# Altium PCB PCB1.PcbDoc (part 1 of 3)
Units mm, origin at the board's own origin, x right, y up, seen from the top; angles counter-clockwise.
Board outline 395.86 x 234.82 mm, 2 copper layers (Top Layer, Bottom Layer); 304 components, 236 nets, 1028 pads, 1089 vias.
Unrouted connection lines stored in the file: 1.
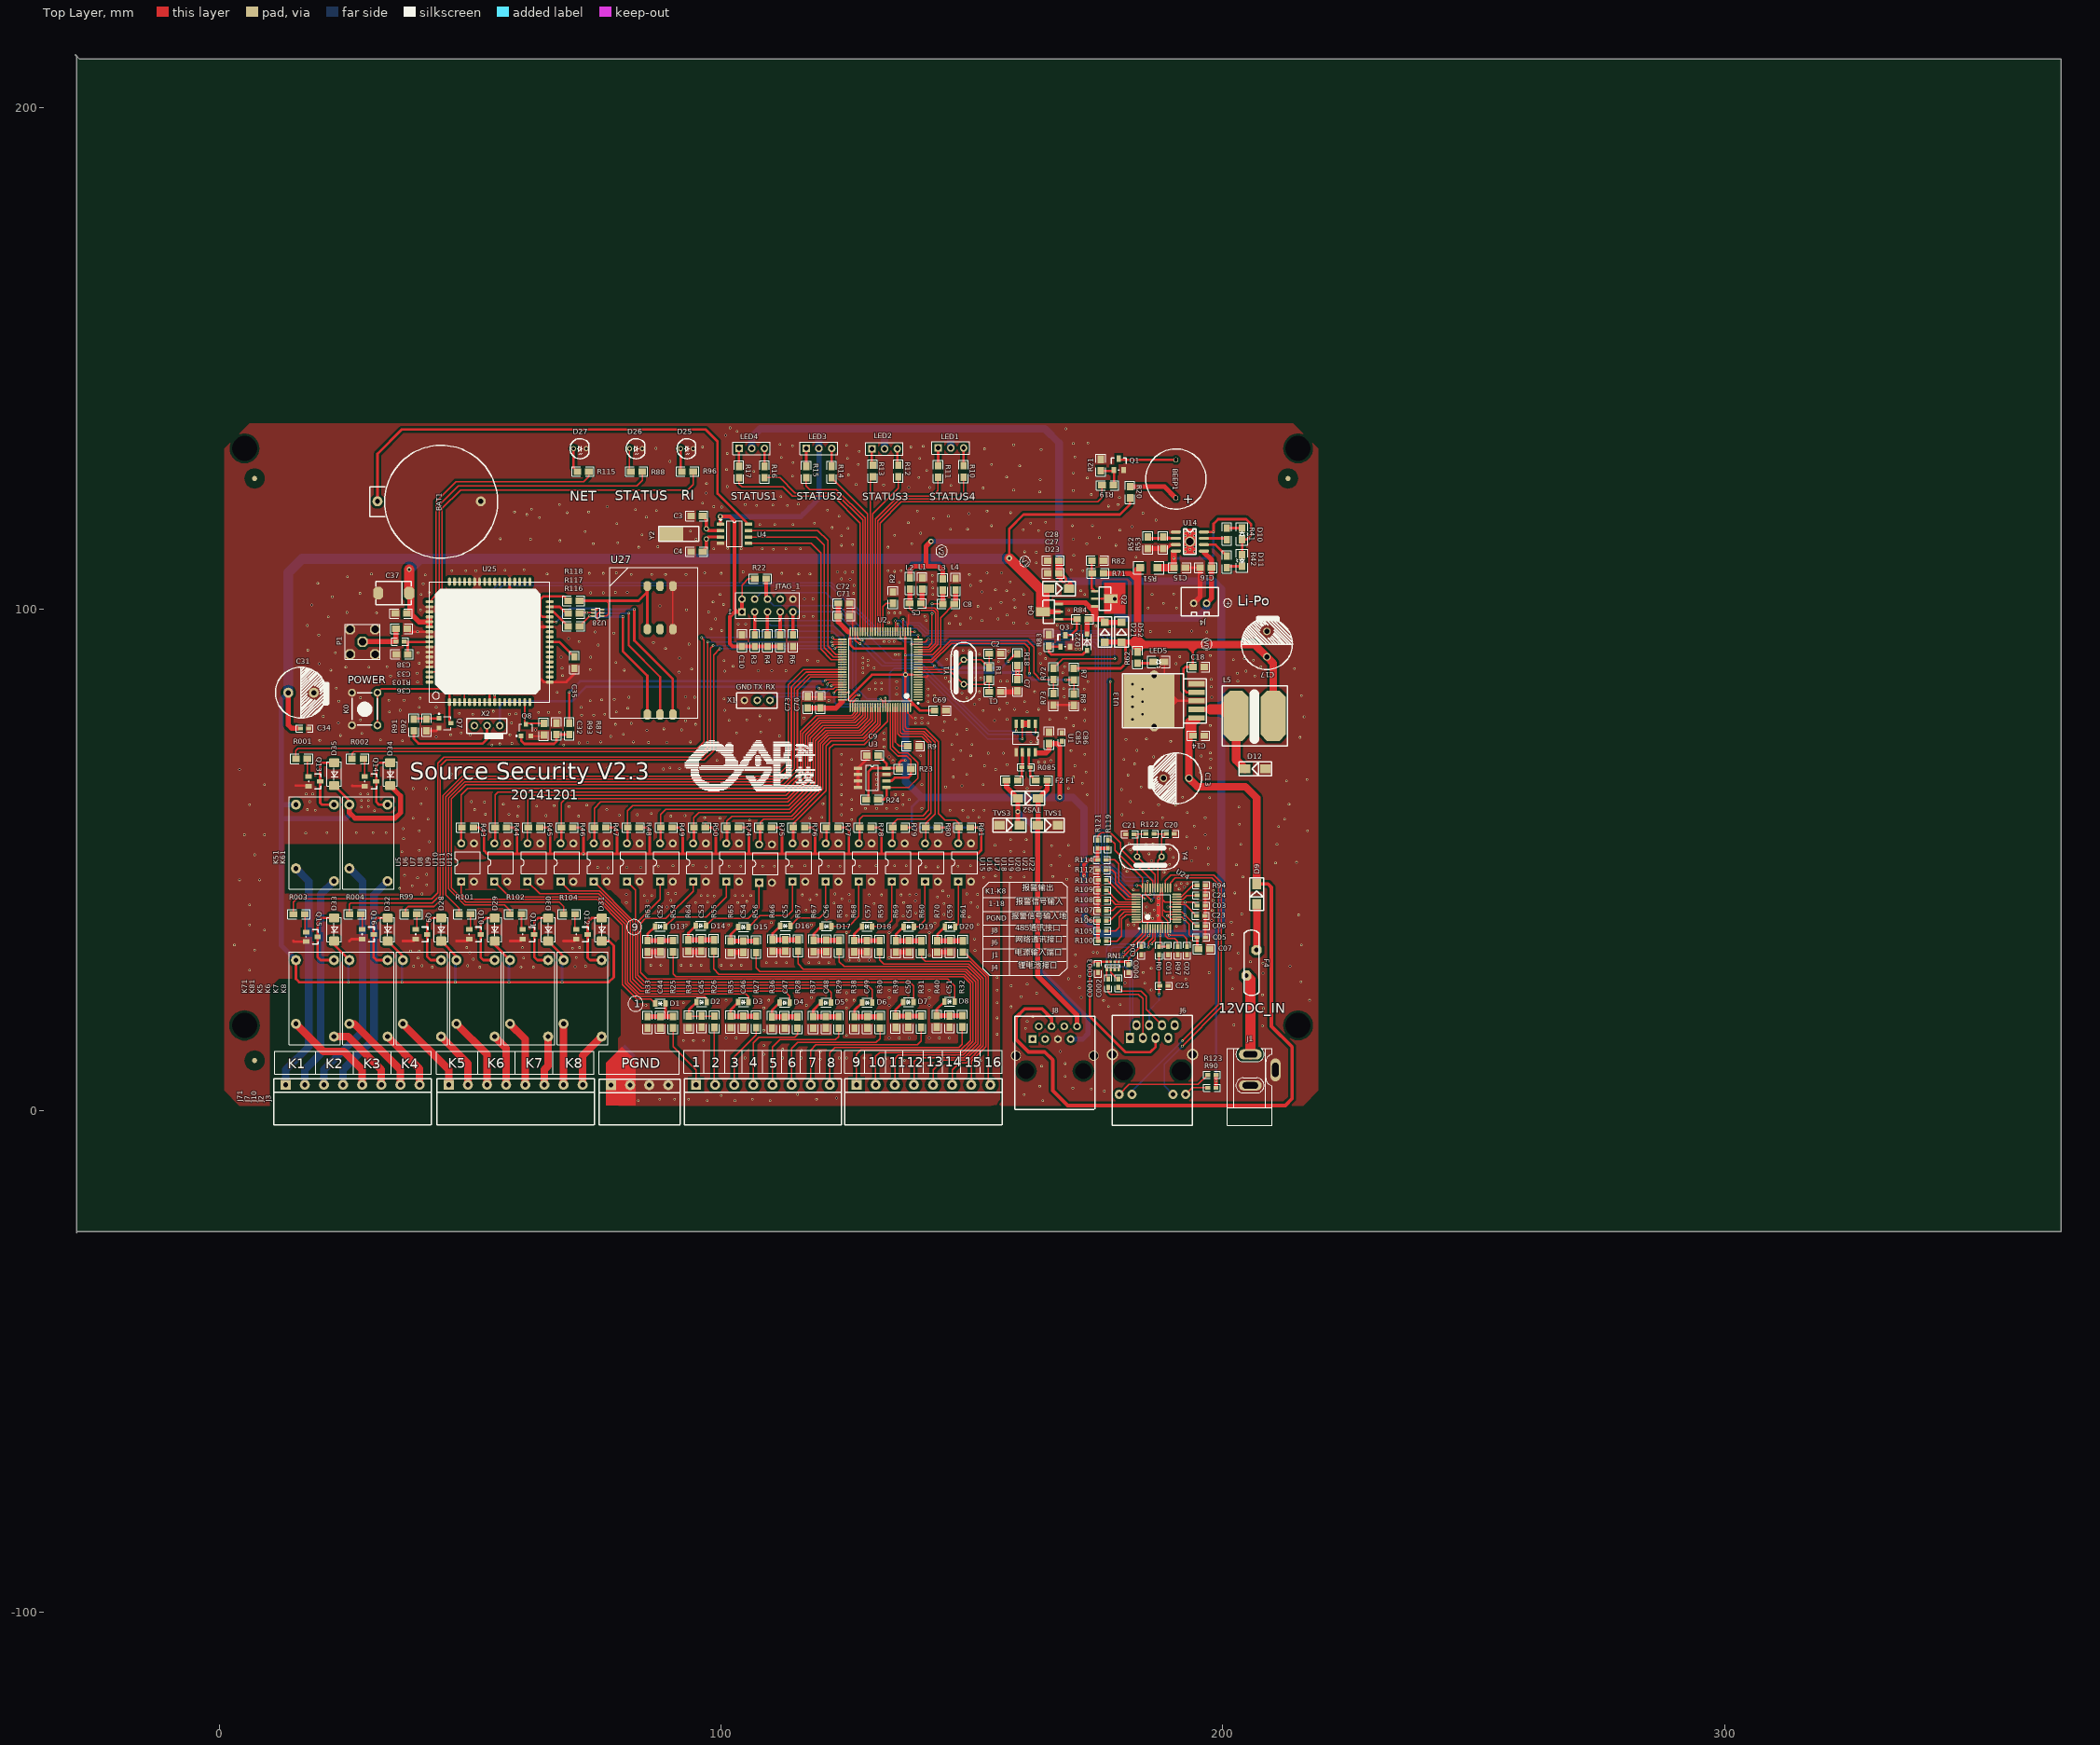
[diagram p0: Top Layer view]
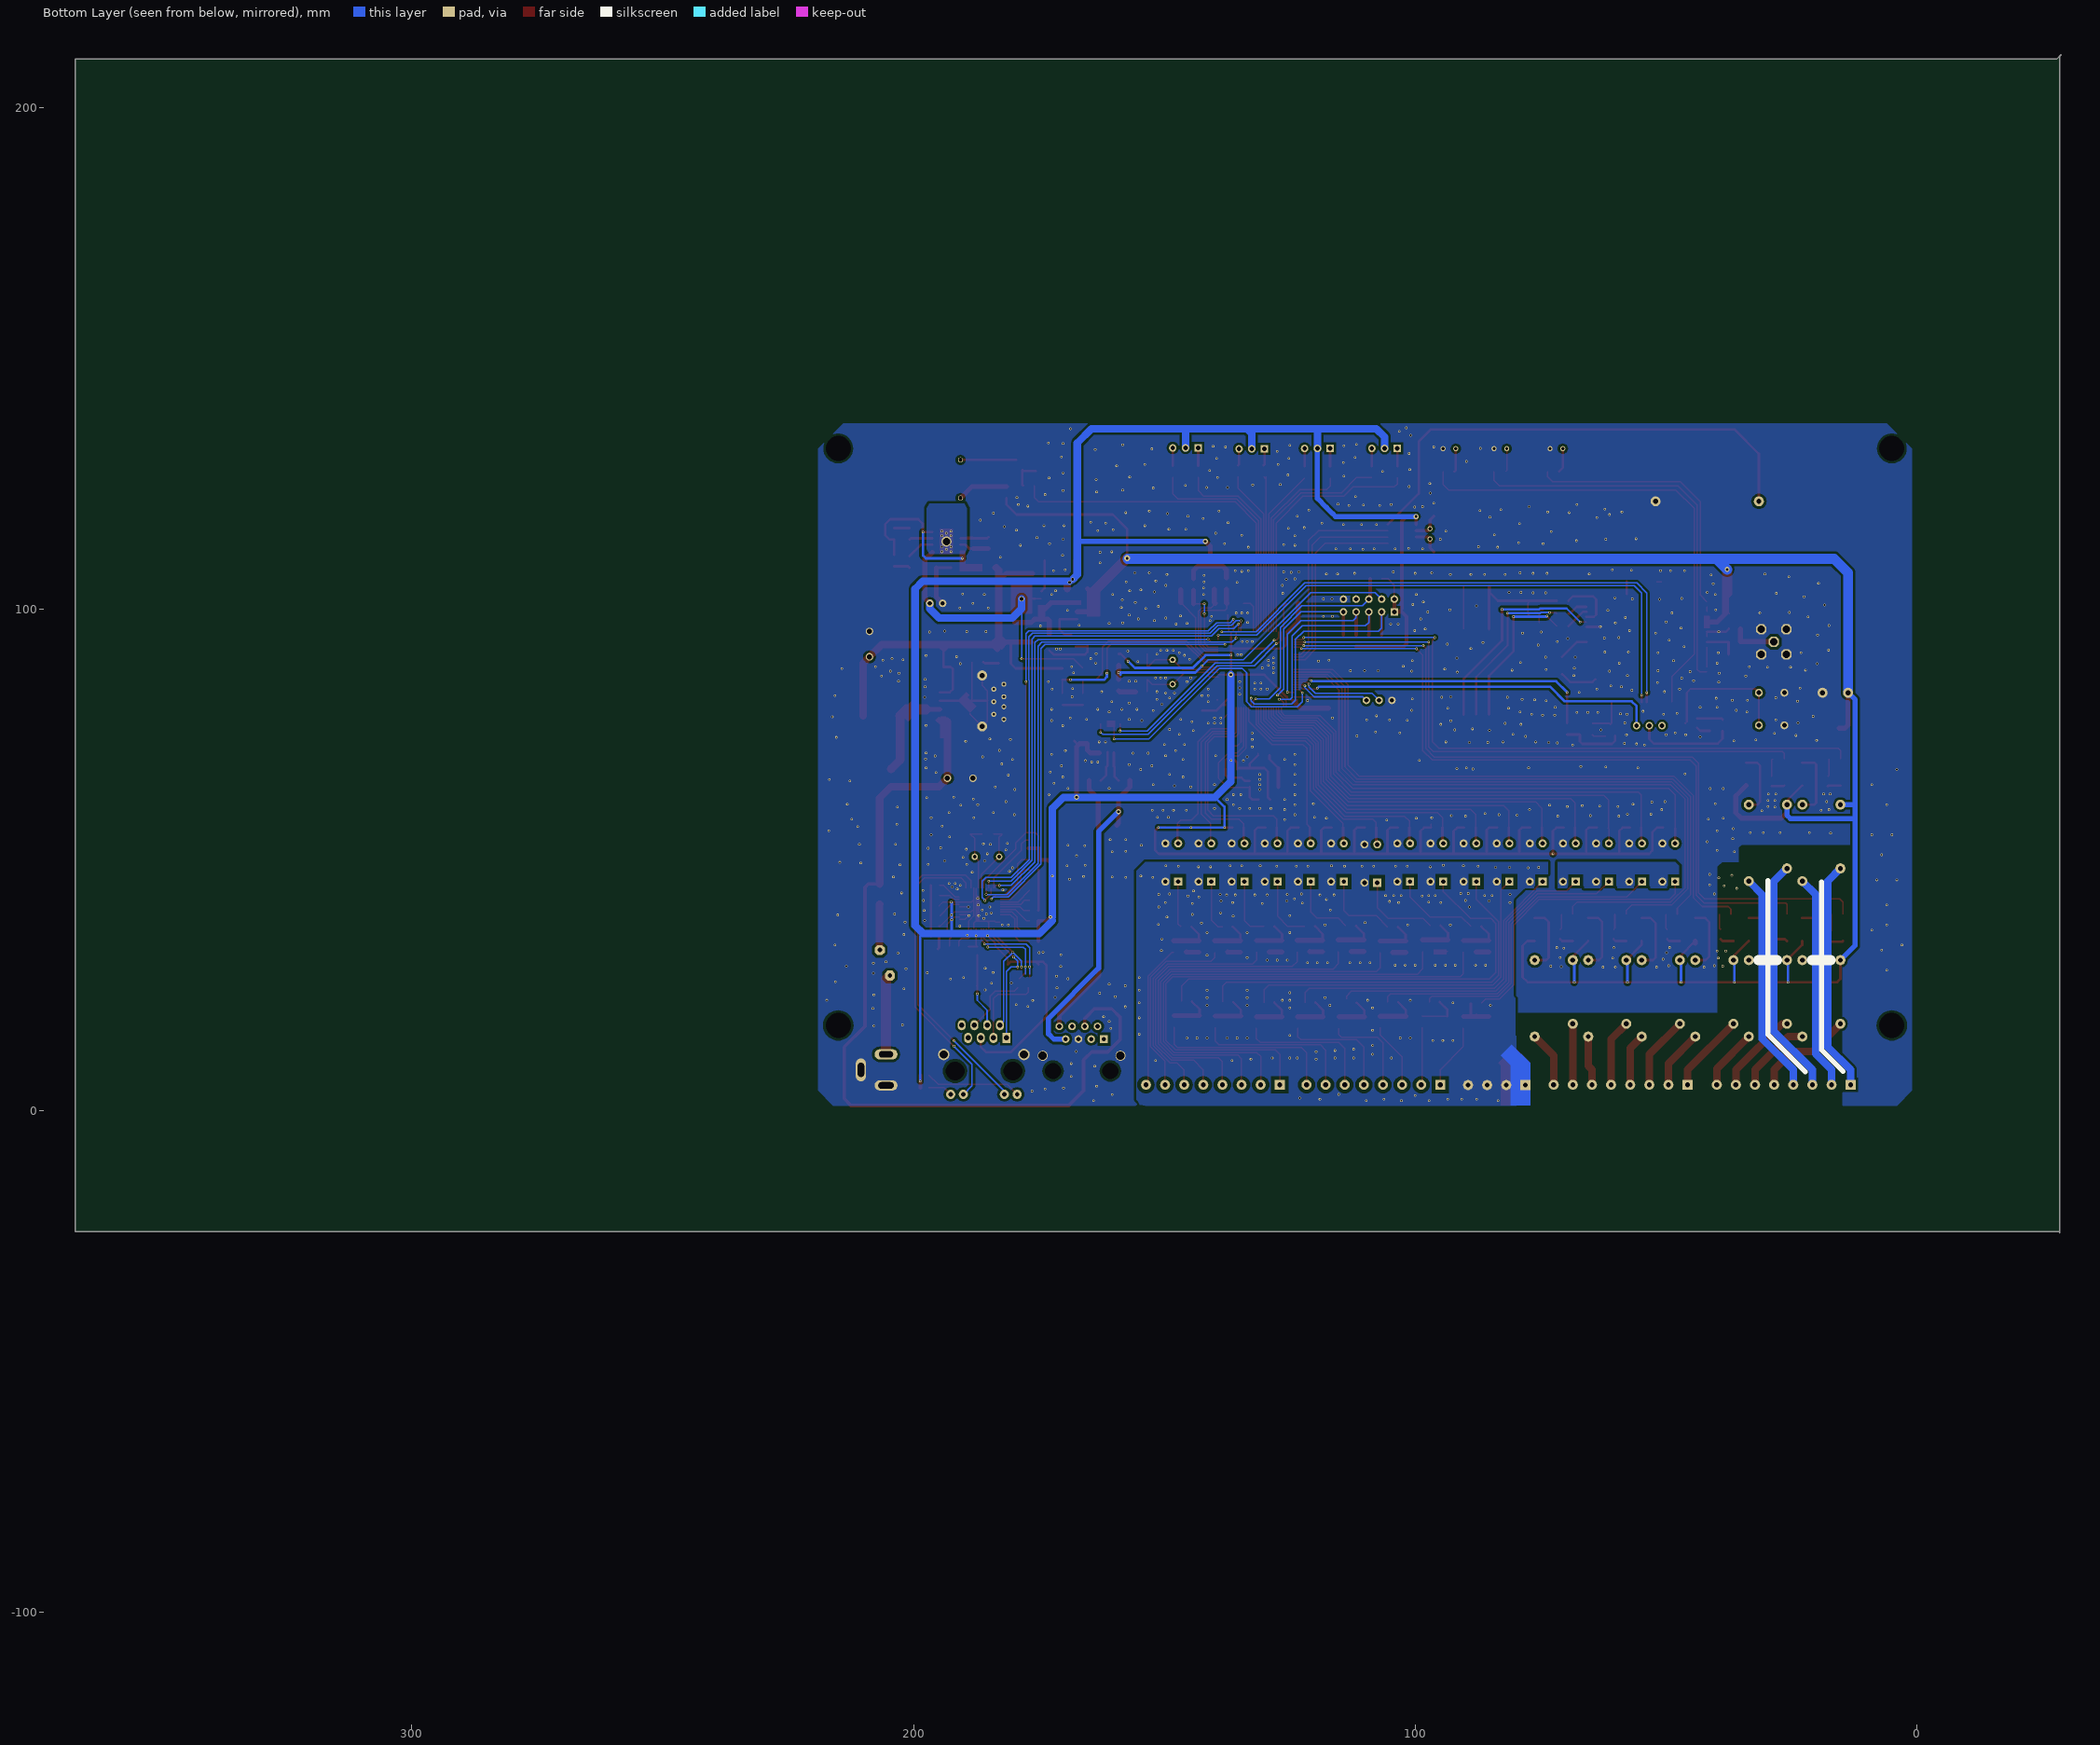
[diagram p1: Bottom Layer view, seen from below]

## Layer stack, top to bottom
Top Solder: solder mask 0.0102, Solder Resist, Dk 3.5
Top Layer: signal copper 0.0356
Dielectric1: dielectric 0.32, FR-4, Dk 4.8
Bottom Layer: signal copper 0.0356
Bottom Solder: solder mask 0.0102, Solder Resist, Dk 3.5

## Board outline
-28.498,-24.352 -28.244,-24.098 367.107,-24.098 367.107,209.582 -27.863,209.582 -28.752,210.471 -28.498,210.217 -28.498,-24.352

## Design rules (kind name [scope] priority, off if disabled: settings)
Clearance [All] p1: gap=0.1
PlaneClearance [All] p1: clearance=0.7
PlaneConnect [All] p1: planeconnectstyle=Direct reliefexpansion=0.508 reliefentries=4 reliefconductorwidth=0.254 reliefairgap=0.254
PolygonConnect [All] p1: connectstyle=Direct reliefconductorwidth=0.254 reliefentries=4 polygonreliefangle="90 Angle" airgapwidth=0.254
RoutingVias [All] p1: holewidth=0.3 width=0.5 viastyle="Through Hole" minholewidth=0.3 minwidth=0.5 maxholewidth=0.7 maxwidth=1
SilkToSolderMaskClearance SilkscreenOverComponentPads [IsPad] p1: minsilkscreentomaskgap=0.254 clearancetoexposedcopper=TRUE
SolderMaskExpansion [All] p1: expansion=0.102
Width [All] p1: maxlimit=5 minlimit=0.254 preferedwidth=0.254
26 further rules are at their usual default settings.

## Components (designator, comment, footprint, x,y, rotation, side; value= is the part's Value field where it differs from the comment)
BAT1 "BATT" CR2032 31.496,121.444 r90 top locked
BEEP1 "BEEP" BEEP-12 190.646,122.104 r90 top locked
C01 "0.1uF" 0603 189.1,32.728 r270 top locked
C1 "18p" 0805 153.435,83.471 r0 top locked
C001 "6.8nF" 0603 177.136,24.584 r90 top locked
C02 "0.1uF" 0603 192.846,32.728 r270 top locked
C2 "18p" 0805 153.435,91.091 r0 top locked
C002 "6.8nF" 0603 179.168,24.584 r90 top locked
C03 "0.1uF" 0603 194.902,40.856 r0 top locked
C3 "18P" 0805 94.006,118.528 r0 top locked
C003 "10nF" 0603 175.104,29.156 r270 top locked
C04 "0.1uF" 0603 183.74,32.736 r270 top locked
C4 "18P" 0805 94.006,111.416 r0 top locked
C004 "10nF" 0603 181.2,29.156 r270 top locked
C05 "0.1uF" 0603 194.9,34.544 r0 top
C5 "104" 0805 139.846,101.124 r180 top locked
C06 "0.1uF" 0603 194.902,36.792 r0 top locked
C07 "10uF" 0805 197.442,32.22 r180 top locked
C7 "104" 0805 159.071,83.662 r90 top locked
C8 "104" 0805 144.194,100.996 r0 top locked
C9 "104" 0805 131.338,70.81 r180 top locked
C10 "104" 0805 104.17,92.548 r90 top locked
C13 "470uF/35V" RB5.0-10#1 193.242,66.258 r0 top locked
C14 "0.1uF" 0805 196.302,74.732 r180 top locked
C15 "10uF/25V" 0805 190.265,108.236 r0 top locked
C16 "10uF/25V" 0805 197.758,108.236 r180 top locked
C17 "470uF/35V" RB5.0-10#1 208.788,90.456 r270 top locked
C18 "0.1uF" 0805 196.302,88.448 r180 top locked
C20 "18p" 0603 190.354,55.18 r180 top locked
C21 "18p" 0603 180.692,55.088 r0 top locked
C23 "4.7uF" 0603 196.426,38.824 r180 top locked
C24 "10nF" 0603 194.902,42.888 r0 top locked
C25 "0.1uF" 0603 187.452,24.892 r0 top
C27 "10uF/25V" 0805 167.362,107.098 r180 top locked
C28 "0.1uF" 0805 167.362,109.638 r180 top locked
C31 "470uF/35V" RB5.0-10#2 13.716,83.312 r180 top locked
C32 "104" 0805 64.646,74.9 r90 top locked
C33 "NC" 0805 35.182,96.044 r0 top locked
C34 "0.1uF" 0603 17.78,76.2 r180 top locked
C35 "10uF/25V" 0805 70.742,90.456 r270 top locked
C36 "NC" 0805 37.55,90.964 r180 top locked
C37 "1000uF/6.3V" 7343 37.722,103.156 r180 top locked
C38 "0.1uF" 0805 37.35,99.092 r180 top locked
C44 "0.1uF" 0805 87.87,18.782 r270 top locked
C45 "0.1uF" 0805 96.122,18.9 r270 top locked
C46 "0.1uF" 0805 104.434,18.858 r270 top locked
C47 "0.1uF" 0805 112.674,18.734 r270 top locked
C48 "0.1uF" 0805 120.894,18.758 r270 top locked
C49 "0.1uF" 0805 129.114,18.758 r270 top locked
C50 "0.1uF" 0805 137.322,18.908 r270 top locked
C51 "0.1uF" 0805 145.538,18.9 r270 top locked
C52 "0.1uF" 0805 87.866,33.934 r270 top locked
C53 "0.1uF" 0805 96.014,34.066 r270 top locked
C54 "0.1uF" 0805 104.443,33.834 r270 top locked
C55 "0.1uF" 0805 112.797,34.063 r270 top locked
C56 "0.1uF" 0805 120.99,33.982 r270 top locked
C57 "0.1uF" 0805 129.058,33.934 r270 top locked
C58 "0.1uF" 0805 137.386,33.89 r270 top locked
C59 "0.1uF" 0805 145.642,33.89 r270 top locked
C69 "0.1uF" 0805 144.78,79.756 r180 top locked
C70 "0.1uF" 0805 119.805,82.531 r270 top locked
C71 "0.1uF" 0805 125.622,98.584 r180 top locked
C72 "10uF/25V" 0805 125.622,101.124 r180 top locked
C73 "10uF/25V" 0805 117.265,82.531 r270 top locked
C85 "10uF" 0805 165.376,73.152 r90 top locked
C86 "0.1uF" 0603 167.916,73.66 r90 top locked
D1 "LED-R" 0805-LED 87.884,21.368 r180 top locked
D2 "LED-R" 0805-LED 96.122,21.64 r0 top locked
D3 "LED-R" 0805-LED 104.434,21.64 r0 top locked
D4 "LED-R" 0805-LED 112.674,21.516 r0 top locked
D5 "LED-R" 0805-LED 120.894,21.54 r0 top locked
D6 "LED-R" 0805-LED 129.114,21.54 r0 top locked
D7 "LED-R" 0805-LED 137.322,21.648 r0 top locked
D8 "LED-R" 0805-LED 145.538,21.74 r0 top locked
D9 "B340" SMB 206.756,41.148 r90 top
D10 "RED" LED-0805 203.854,113.824 r90 top locked
D11 "GREEN" LED-0805 203.854,110.776 r270 top locked
D12 "B340" SMB 208.494,68.128 r180 top locked
D13 "LED-R" 0805-LED 87.866,36.7 r0 top locked
D14 "LED-R" 0805-LED 95.954,36.88 r0 top locked
D15 "LED-R" 0805-LED 104.443,36.6 r0 top locked
D16 "LED-R" 0805-LED 112.797,36.829 r0 top locked
D17 "LED-R" 0805-LED 120.99,36.748 r0 top locked
D18 "LED-R" 0805-LED 129.074,36.7 r0 top locked
D19 "LED-R" 0805-LED 137.386,36.656 r0 top locked
D20 "LED-R" 0805-LED 145.642,36.656 r0 top locked
D21 "IN4007" SMA(DO-214AC) 176.506,93.382 r90 top
D22 "3V" sod-123 172.95,93.382 r90 top locked
D23 "IN4001" SMB 165.33,104.05 r0 top locked
D25 "LED" LED-DIP 92.162,131.956 r0 top locked
D26 "LED-R" LED-DIP 82.002,131.956 r0 top locked
D27 "LED-R" LED-DIP 70.826,131.956 r0 top locked
D28 "1N4007" DO-214AC(SMA) 44.196,36.1 r270 top locked
D29 "1N4007" DO-214AC(SMA) 54.864,36.1 r270 top locked
D30 "1N4007" DO-214AC(SMA) 65.532,36.1 r270 top locked
D31 "1N4007" DO-214AC(SMA) 76.2,36.1 r270 top locked
D32 "1N4007" DO-214AC(SMA) 33.528,36.1 r270 top locked
D33 "1N4007" DO-214AC(SMA) 22.86,36.1 r270 top locked
D34 "1N4007" DO-214AC(SMA) 34.036,67.088 r270 top locked
D35 "1N4007" DO-214AC(SMA) 22.86,67.088 r270 top locked
D52 "IN4007" SMA(DO-214AC) 179.8,93.382 r90 top
F1 "FUSE2" 0805 162.704,65.808 r0 top locked
F2 "FUSE2" 0805 159.148,65.808 r180 top locked
F4 "FUSE2" FUSE-RL60-110 204.724,26.924 r90 top
J1 "POWER" DC10B 209.804,0.588 r90 top locked
J2 "2EDGR-5.08-8P" 3.81-8P-W 94.996,5.16 r0 top locked
J3 "2EDGR-5.08-8P" 3.81-8P-W 127,5.16 r0 top locked
J4 "SIP2A-2.54" 2.54 191.662,98.584 r0 top locked
J6 "HR911105A" HR911105A 181.526,14.5 r270 top locked
J7 "2EDGR-5.08-8P" 3.81-8P-W 45.72,5.16 r0 top locked
J8 "RJ45" RJ45-1 162.052,14.256 r180 top locked
J10 "2EDGR-5.08-4P" 3.81-4P-W 75.692,6.3 r0 top locked
J71 "2EDGR-5.08-8P" 3.81-8P-W 13.208,5.16 r0 top locked
JTAG_1 "JTAG_10" JTAG_10 104.15,99.42 r0 top locked
K0 "KEY_M" KEY_M 31.496,83.312 r270 top locked
K5 "307" RELAY-SONGCHUAN 36.576,30.004 r270 top locked
K6 "307" RELAY-SONGCHUAN 47.244,30.004 r270 top locked
K7 "307" RELAY-SONGCHUAN 57.912,30.004 r270 top locked
K8 "307" RELAY-SONGCHUAN 68.58,30.004 r270 top locked
K51 "307" RELAY-SONGCHUAN 15.24,60.992 r270 top locked
K61 "307" RELAY-SONGCHUAN 25.908,60.992 r270 top locked
K71 "307" RELAY-SONGCHUAN 15.24,30.004 r270 top locked
K81 "307" RELAY-SONGCHUAN 25.908,30.004 r270 top locked
L1 "100R" 0805 140.082,106.212 r270 top locked
L2 "100R" 0805 137.646,106.228 r270 top locked
L3 "100R" 0805 144.194,103.704 r90 top locked
L4 "100R" 0805 146.734,106.076 r270 top locked
L5 "33uH" INDUCTOR-1212 199.858,72.7 r0 top locked
LED1 "Header 3" HDR1X3 143.25,132.1 r0 top locked
LED2 "Header 3" HDR1X3 130.042,131.908 r0 top locked
LED3 "Header 3" HDR1X3 116.966,131.98 r0 top locked
LED4 "Header 3" HDR1X3 103.566,132 r0 top locked
LED5 "LED-R" LED-0805 186.074,89.44 r0 top locked
P1 "COAX-M" ST-TH1 25.022,89.948 r0 top locked
Q1 "3904" SOT-23 178.308,127.692 r0 top locked
Q2 "2SJ517" SOT-89 174.474,103.542 r270 top locked
Q3 "3904" SOT-23 167.64,92.488 r0 top locked
Q4 "2SJ517" SOT-89 167.362,97.954 r90 top locked
Q7 "3904" SOT-23R 44.834,77.248 r270 top locked
Q8 "3904" SOT-23R 61.09,75.724 r0 top locked
Q9 "3904" SOT-23 39.116,36.1 r270 top locked
Q10 "3904" SOT-23 49.784,36.1 r270 top locked
Q11 "3904" SOT-23 60.452,36.1 r270 top locked
Q12 "3904" SOT-23 71.12,36.1 r270 top locked
Q13 "3904" SOT-23 17.78,66.58 r270 top locked
Q14 "3904" SOT-23 28.956,66.58 r270 top locked
Q15 "3904" SOT-23 17.272,35.592 r270 top locked
Q16 "3904" SOT-23 28.448,36.1 r270 top locked
R0 "10R" 0603 187.3,31.05 r90 top
R1 "1M" 0805 153.435,86.011 r90 top locked
R001 "1K" 0805 15.24,70.136 r0 top locked
R2 "10K" 0805 134.258,101.124 r90 top locked
R002 "1K" 0805 26.416,70.136 r0 top locked
R3 "10K" 0805 106.71,92.548 r90 top locked
R003 "1K" 0805 14.732,39.148 r0 top locked
R4 "10K" 0805 109.25,92.548 r90 top locked
R004 "1K" 0805 25.908,39.148 r0 top locked
R5 "10K" 0805 111.79,92.548 r90 top locked
R6 "10K" 0805 114.33,94.84 r270 top locked
R7 "10K" 0805 170.313,85.864 r90 top locked
R8 "10K" 0805 170.313,80.784 r90 top locked
R9 "10K" 0805 137.16,72.676 r0 top locked
R10 "270" 0805 148.33,128.544 r270 top locked
R11 "270" 0805 143.25,128.544 r270 top locked
R12 "270" 0805 135.31,128.64 r270 top locked
R13 "270" 0805 130.23,128.64 r270 top locked
R14 "270" 0805 122.046,128.424 r270 top locked
R15 "270" 0805 116.966,128.424 r270 top locked
R16 "270" 0805 108.646,128.444 r270 top locked
R17 "270" 0805 103.566,128.444 r270 top locked
R18 "10K" 0805 159.071,88.742 r90 top locked
R19 "1K" 0805 175.914,124.644 r0 top locked
R20 "22" 0805 181.502,122.104 r90 top locked
R21 "10K" 0805 175.67,129.808 r270 top locked
R22 "10K" 0805 106.69,106.024 r0 top locked
R23 "4.7K" 0805 137.814,68.104 r180 top locked
R24 "4.7K" 0805 131.21,62.008 r180 top locked
R25 "4.7K" 0805 90.41,16.484 r90 top locked
R26 "4.7K" 0805 98.662,16.6 r90 top locked
R27 "4.7K" 0805 106.974,16.56 r90 top locked
R28 "4.7K" 0805 115.214,16.436 r90 top locked
R29 "4.7K" 0805 123.434,16.46 r90 top locked
R30 "4.7K" 0805 131.654,16.46 r90 top locked
R31 "4.7K" 0805 139.862,16.568 r90 top locked
R32 "4.7K" 0805 148.078,16.66 r90 top locked
R33 "10K" 0805 85.33,16.484 r90 top locked
R34 "10K" 0805 93.582,16.56 r90 top locked
R35 "10K" 0805 101.894,16.56 r90 top locked
R36 "10K" 0805 110.134,16.436 r90 top locked
R37 "10K" 0805 118.354,16.46 r90 top locked
R38 "10K" 0805 126.574,16.46 r90 top locked
R39 "10K" 0805 134.782,16.568 r90 top locked
R40 "10K" 0805 142.998,16.66 r90 top locked